# Altium PCB MIXR Input and Processing.PcbDoc (part 2 of 3)
Units mm, origin at the board's own origin, x right, y up, seen from the top; angles counter-clockwise.
Board outline 109.43 x 109.43 mm, 4 copper layers (Top Layer, Int1 (GND), Int2 (PWR), Bottom Layer), stack 1.46 mm thick; 229 components, 167 nets, 975 pads, 374 vias.
Unrouted connection lines stored in the file: 221.
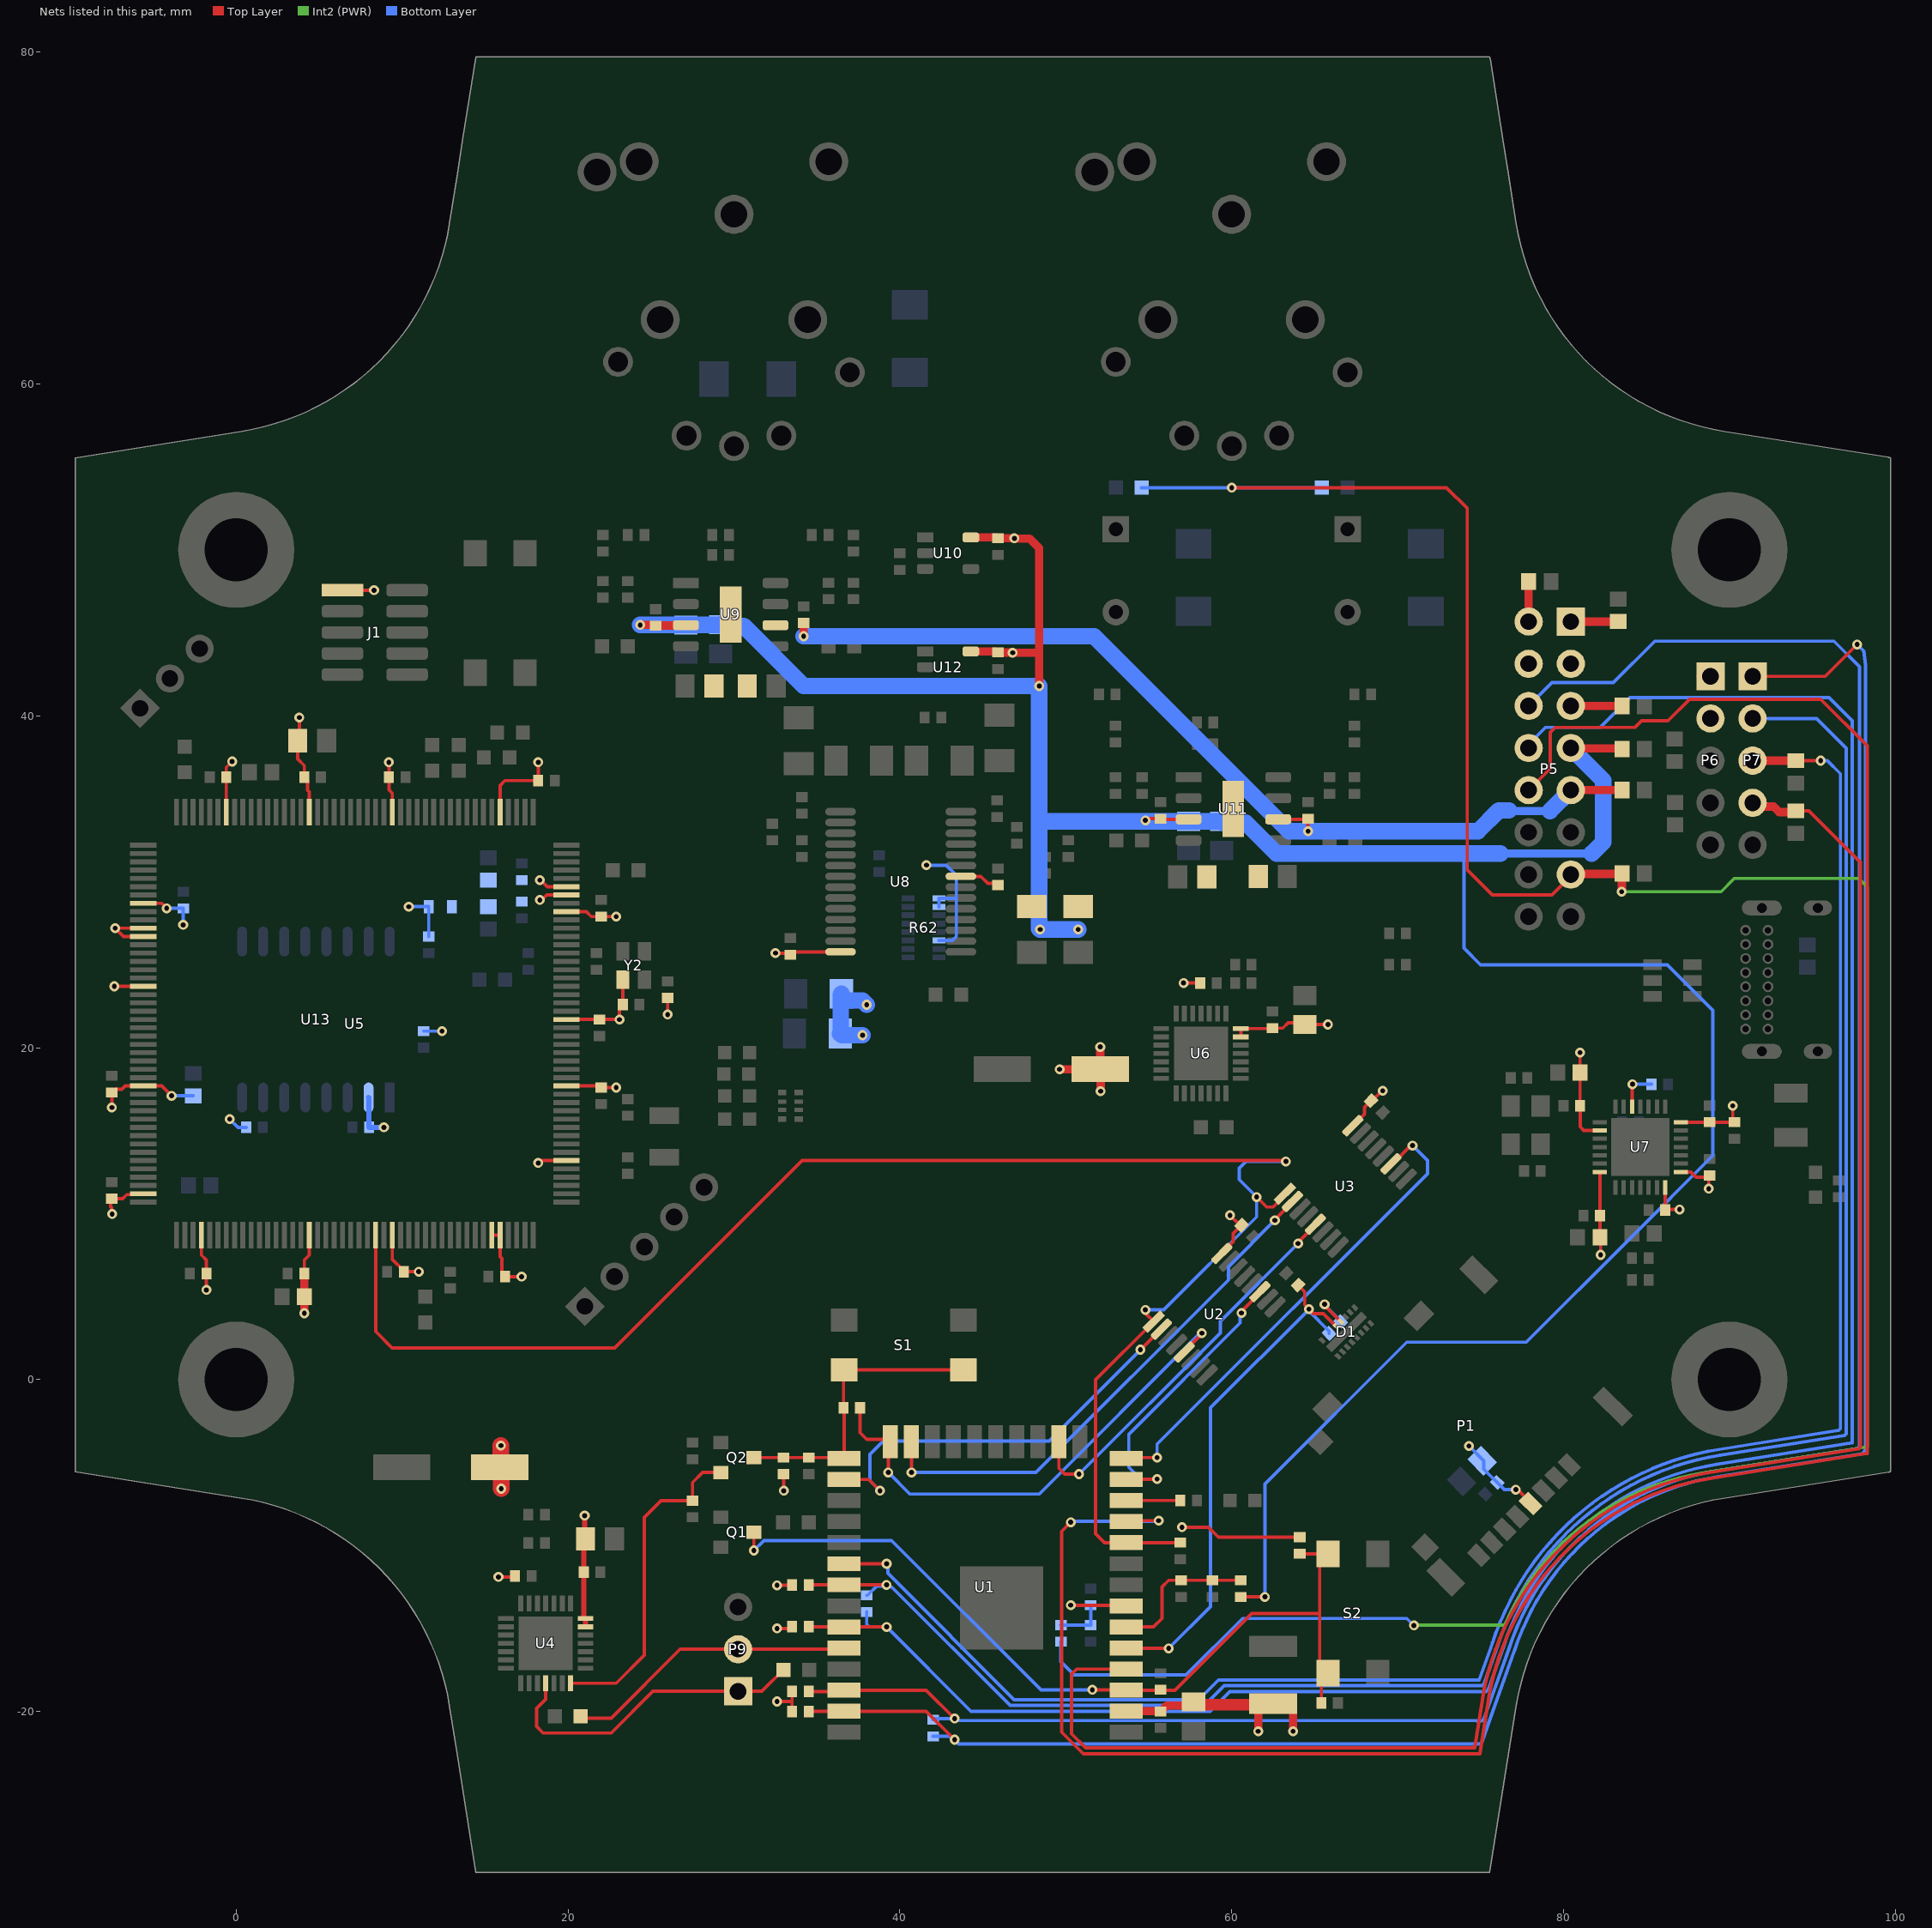
[diagram p4: the nets of this part, all layers, seen from the top]

## Part data (continued)
D1: "RLC EMI Filter 3rd Order Low Pass 6 Channel R = 40Ohms, C = 12pF, L = 20nH 16-UFDFN Exposed Pad", Capacitance=20pF, Case/Package=DFN, Clamping Voltage=9V, DC Resistance (DCR)=40R, Manufacturer 1="ON Semiconductor", Manufacturer Part Number 1=CM1624-08DE, Max Operating Temperature=85°C, Min Operating Temperature=-40°C, Operating Supply Voltage=5V, Package Quantity=1, Supplier Part Number 1=CM1624-08DEOSCT-ND, ComponentLink1Description=https://datasheet.ciiva.com/1267/cm1624-d-1267908.pdf?src-supplier=Element14, ComponentLink1URL=https://datasheet.ciiva.com/1267/cm1624-d-1267908.pdf?src-supplier=Element14, ComponentLink2Description=https://datasheet.ciiva.com/4942/cm1624-d-92596-4942166.pdf?src-supplier=Mouser, ComponentLink2URL=https://datasheet.ciiva.com/4942/cm1624-d-92596-4942166.pdf?src-supplier=Mouser, ComponentLink3Description=https://datasheet.ciiva.com/26793/cm1624-08de-26793355.pdf?src-supplier=IIIC, ComponentLink3URL=https://datasheet.ciiva.com/26793/cm1624-08de-26793355.pdf?src-supplier=IIIC, ComponentLink4Description=https://datasheet.ciiva.com/1022/cm1624-d-1022810.pdf?src-supplier=Digi-Key, ComponentLink4URL=https://datasheet.ciiva.com/1022/cm1624-d-1022810.pdf?src-supplier=Digi-Key, ComponentLink5Description=https://datasheet.ciiva.com/15225/getdatasheetpartid-650344-15225530.pdf?src-supplier=Verical, ComponentLink5URL=https://datasheet.ciiva.com/15225/getdatasheetpartid-650344-15225530.pdf?src-supplier=Verical, ComponentLink6Description=https://datasheet.ciiva.com/3067/cm1624-d-3067220.pdf?src-supplier=Avnet, ComponentLink6URL=https://datasheet.ciiva.com/3067/cm1624-d-3067220.pdf?src-supplier=Avnet, ComponentLink7Description=https://datasheet.ciiva.com/3067/cm1624-d-3067221.pdf?src-supplier=Avnet, ComponentLink7URL=https://datasheet.ciiva.com/3067/cm1624-d-3067221.pdf?src-supplier=Avnet, ComponentLink8Description=https://datasheet.ciiva.com/1022/cm1624-d-1022808.pdf?src-supplier=Digi-Key, ComponentLink8URL=https://datasheet.ciiva.com/1022/cm1624-d-1022808.pdf?src-supplier=Digi-Key, ComponentLink9Description=https://datasheet.ciiva.com/1022/cm1624-d-1022809.pdf?src-supplier=Digi-Key, ComponentLink9URL=https://datasheet.ciiva.com/1022/cm1624-d-1022809.pdf?src-supplier=Digi-Key, Contact Plating=Tin,Matte, Depth=1.45mm, Direction=Bidirectional, ESD Protection=Yes, Halogen Free="Halogen Free", Height=0.022inch, Lead Free="Lead Free", Length=3.4mm, Number of Channels=6, Number of Lines=8, Number of Pins=16, Packaging="Tape and Reel", Pricing 1="1=0.52000, 10=0.48300, 25=0.46040, 50=0.44560, 100=0.43070, 250=0.40836, 500=0.34156, 1000=0.26507 (USD)", REACH SVHC="No SVHC", RoHS=Yes, Stock 1=5050, Supplier 1=Digi-Key, Termination=Flat, Width=1.35mm
D2: "17V Clamp 5A (8/20µs) Ipp Tvs Diode Surface Mount SOT-23-6", Breakdown Voltage=6V, Capacitance=3.5pF, Case/Package=SOT-23, Clamping Voltage=17V, Leakage Current=150nA, Manufacturer 1=STMicroelectronics, Manufacturer Part Number 1=USBLC6-2SC6, Max Operating Temperature=125°C, Min Operating Temperature=-40°C, Operating Supply Voltage=1.1V, Package Quantity=3000, Peak Pulse Current=5A, Power Line Protection=Yes, Reverse Standoff Voltage=5.25V, Supplier Part Number 1=497-5235-1-ND, Test Current=1mA, Working Voltage=5V, ComponentLink1Description=https://datasheet.ciiva.com/1268/1690354-1268384.pdf?src-supplier=Element14, ComponentLink1URL=https://datasheet.ciiva.com/1268/1690354-1268384.pdf?src-supplier=Element14, ComponentLink2Description=https://datasheet.ciiva.com/4508/cd00050750-113117-4508433.pdf?src-supplier=Mouser, ComponentLink2URL=https://datasheet.ciiva.com/4508/cd00050750-113117-4508433.pdf?src-supplier=Mouser, ComponentLink3Description=https://datasheet.ciiva.com/15143/getdatasheetpartid-148465-15143789.pdf?src-supplier=Verical, ComponentLink3URL=https://datasheet.ciiva.com/15143/getdatasheetpartid-148465-15143789.pdf?src-supplier=Verical, ComponentLink4Description=https://datasheet.ciiva.com/26787/usblc6-2sc6-26787908.pdf?src-supplier=IIIC, ComponentLink4URL=https://datasheet.ciiva.com/26787/usblc6-2sc6-26787908.pdf?src-supplier=IIIC, ComponentLink5Description=https://datasheet.ciiva.com/16200/cd00050750-16200026.pdf?src-supplier=Future+Electronics, ComponentLink5URL=https://datasheet.ciiva.com/16200/cd00050750-16200026.pdf?src-supplier=Future+Electronics, ComponentLink6Description=https://datasheet.ciiva.com/41444/001184109-da-01-en-ic-esd-protecti-usblc6-2sc6-sot-23-6-stm-41444156.pdf?src-supplier=Conrad, ComponentLink6URL=https://datasheet.ciiva.com/41444/001184109-da-01-en-ic-esd-protecti-usblc6-2sc6-sot-23-6-stm-41444156.pdf?src-supplier=Conrad, Contact Plating=Tin, Data Rate=480Mbps, Depth=1.75mm, Direction=Unidirectional, Element Configuration=Dual, ESD Protection=Yes, Height=1.3mm, Lead Free="Lead Free", Length=3.05mm, Max Breakdown Voltage=6V, Max Reverse Leakage Current=150nA, Min Breakdown Voltage=6V, Mount="Surface Mount", Number of Bidirectional Channels=2, Number of Channels=2, Number of Elements=1, Number of Pins=6, Packaging="Tape and Reel", Polarity=Unidirectional, Pricing 1="1=0.47000, 10=0.39900, 100=0.29820, 500=0.23430, 1000=0.18105 (USD)", Radiation Hardening=No, REACH SVHC="No SVHC", Reverse Breakdown Voltage=6V, RoHS=Yes, Stock 1=7579, Supplier 1=Digi-Key, Termination=SMD/SMT, Width=1.75mm
D3 D4 D5 D6: "TVS DIODE 12V 19.6V DO214AA", Capacitance @ Frequency=-, Current - Peak Pulse (10/1000µs)=30.6A, Manufacturer="Vishay Semiconductor Diodes Division", Manufacturer Part Number=SMBJ12CD-M3/H, Operating Temperature="-55°C ~ 150°C (TJ)", Package / Case="DO-214AA, SMB", Power - Peak Pulse=600W, Power Line Protection=No, Supplier Device Package="DO-214AA (SMBJ)", Supplier Part Number 1=SMBJ12CD-M3/HGICT-ND, Voltage - Breakdown (Min)=13.5V, Voltage - Clamping (Max) @ Ipp=19.6V, Voltage - Reverse Standoff (Typ)=12V, Applications="General Purpose", Category="Circuit Protection", ComponentLink1Description=http://www.vishay.com/docs/87606/87606.pdf, ComponentLink1URL=http://www.vishay.com/docs/87606/87606.pdf, Mounting Type="Surface Mount", Packaging="Cut Tape (CT)", Part Status=Active, Pricing 1="1=0.69, 10=0.565, 25=0.516, 100=0.3841, 250=0.34808 (CAD)", RoHS="RoHS Compliant", Stock 1=4469, Supplier 1=Digi-Key, Type=Zener
F1: library part "FUSE 375MA 125VDC 1206", "FUSE BOARD MNT 375MA 125VAC/VDC", Case Code (Imperial)=1206, Case Code (Metric)=3216, Current Rating=375mA, DC Cold Resistance=350mR, Manufacturer=Littelfuse, Manufacturer Part Number=0466.375NR, Max Operating Temperature=90°C, Min Operating Temperature=-55°C, Package Quantity=5000, Resistance=690mR, Supplier Part Number 1=F1453CT-ND, Voltage Rating=125V, Approvals=CSA,UL, Body Material=Thermoplastic, Case/Package=1206, ComponentLink1Description=http://www.littelfuse.com/data/en/Data_Sheets/Littelfuse_Fuse_466.pdf, ComponentLink1URL=http://www.littelfuse.com/data/en/Data_Sheets/Littelfuse_Fuse_466.pdf, ComponentLink2Description=http://www.littelfuse.com/~/media/electronics/datasheets/fuses/littelfuse_fuse_466_datasheet.pdf.pdf, ComponentLink2URL=http://www.littelfuse.com/~/media/electronics/datasheets/fuses/littelfuse_fuse_466_datasheet.pdf.pdf, ComponentLink3Description=//media.digikey.com/pdf/Data%20Sheets/Littelfuse%20PDFs/466%20Series%20Drawing.pdf, ComponentLink3URL=//media.digikey.com/pdf/Data%20Sheets/Littelfuse%20PDFs/466%20Series%20Drawing.pdf, ComponentLink4Description=http://www.farnell.com/datasheets/48294.pdf, ComponentLink4URL=http://www.farnell.com/datasheets/48294.pdf, ComponentLink5Description=https://www.verical.com/server-webapp/html/getDatasheet?partID=134212, ComponentLink5URL=https://www.verical.com/server-webapp/html/getDatasheet?partID=134212, Depth=1.52mm, Fuse Current=375mA, Fuse Type="Board Mount (Cartridge Style Excluded)", Height=0.023inch, Housing Material=Ceramic, Lead Free="Lead Free", Length=3.18mm, Mount="Surface Mount", Number of Pins=2, Packaging="Tape and Reel", Pricing 1="1=0.84, 5=0.812, 10=0.787, 50=0.6618, 100=0.5493, 250=0.4994, 500=0.4245, 1000=0.37455 (USD)", Radiation Hardening=No, REACH SVHC=Unknown, Stock 1=22359, Supplier 1=Digi-Key, Terminal Material=Copper, Termination=SMD/SMT, Voltage Rating (AC)=125V, Voltage Rating (DC)=125V, Width=0.06inch, Working Voltage=125V
FB1: "FERRITE BEAD 600 OHM 0603 1LN", Case Code (Imperial)=0603, Case Code (Metric)=1608, DC Resistance (DCR)=400mR, Manufacturer=TDK, Manufacturer Part Number=MMZ1608Y601BTD25, Max Current Rating=500mA, Max Operating Temperature=125°C, Min Operating Temperature=-55°C, Package Quantity=4000, Ratings=AEC-Q200, Supplier Part Number 1=445-172850-1-ND, Test Frequency=100MHz, Tolerance=25%, Case/Package=0603, Height=0.037inch, Impedance=600R, Length=0.063inch, Max DC Current=500mA, Mount="Surface Mount", Number of Lines=1, Packaging="Tape and Reel", Pricing 1="1 = 0.10000, 10 = 0.07600, 25 = 0.06840, 50 = 0.05000, 100 = 0.04330, 250 = 0.03416, 500 = 0.02884, 1000 = 0.02429 (USD)", RoHS=Yes, Stock 1=19540, Supplier 1=Digi-Key, Termination=SMD/SMT, Weight=7.1E-05oz, Width=0.031inch
J1: "10 Positions Header Connector 0.050\" (1.27mm) Surface Mount Gold", Current Rating=-, Insulation Color=Black, Manufacturer 1="Amphenol FCI", Manufacturer Part Number 1=20021121-00010C4LF, Material Flammability Rating="UL94 V-0", Supplier Part Number 1=609-3695-1-ND, ComponentLink1Description=http://portal.fciconnect.com/Comergent//fci/drawing/20021121.pdf, ComponentLink1URL=http://portal.fciconnect.com/Comergent//fci/drawing/20021121.pdf, Connector Type=Header, Contact Finish - Mating=Gold, Contact Finish - Post=Tin, Contact Finish Thickness - Mating="10µin (0.25µm)", Contact Finish Thickness - Post="50µin (1.27µm)", Contact Length - Mating="0.120\" (3.05mm)", Contact Length - Post=-, Contact Material="Copper Alloy", Contact Shape=Square, Contact Type="Male Pin", Fastening Type=-, Ingress Protection=-, Insulation Height=-, Insulation Material=Thermoplastic, Mated Stacking Heights=-, Mounting Type="Surface Mount", Number of Positions=10, Number of Positions Loaded=All, Number of Rows=2, Operating Temperature=-, Overall Contact Length=-, Packaging="Cut Tape (CT)", Part Status=Active, Pitch - Mating="0.050\" (1.27mm)", Row Spacing - Mating="0.050\" (1.27mm)", Shrouding=Unshrouded, Style="Board to Board", Supplier 1=Digi-Key, Termination=Solder, Voltage=-
LED1 LED6 LED7: "Blue 470nm LED Indication - Discrete 2.8V 0603 (1608 Metric)", Color=Blue, Current - Test=5mA, Lens Color=Colorless, Manufacturer 1="Lite-On Inc.", Manufacturer Part Number 1=LTST-C193TBKT-5A, Millicandela Rating=15mcd, Package / Case="0603 (1608 Metric)", Supplier Device Package="Chip LED", Supplier Part Number 1=160-1827-1-ND, Voltage - Forward (Vf) (Typ)=2.8V, ComponentLink1Description=http://optoelectronics.liteon.com/upload/download/DS22-2004-060/P_100_LTST-C193TBKT-5A.pdf, ComponentLink1URL=http://optoelectronics.liteon.com/upload/download/DS22-2004-060/P_100_LTST-C193TBKT-5A.pdf, Height (Max)=0.45mm, Lens Style/Size="Rectangle with Flat Top, 1.15mm x 0.80mm", Lens Transparency=Clear, Mounting Type="Surface Mount", Packaging="Cut Tape (CT)", Part Status=Active, Size / Dimension="1.60mm L x 0.80mm W", Supplier 1=Digi-Key, Viewing Angle=130°, Wavelength - Dominant=470nm, Wavelength - Peak=468nm
LED2 LED4 LED5: "Green 572nm LED Indication - Discrete 2V 0603 (1608 Metric)", Color=Green, Current - Test=20mA, Lens Color=Colorless, Manufacturer="Wurth Electronics Inc.", Manufacturer Part Number=150060VS75000, Millicandela Rating=40mcd, Package / Case="0603 (1608 Metric)", Supplier Device Package=0603, Supplier Part Number 1=732-4980-1-ND, Voltage - Forward (Vf) (Typ)=2V, Category=Optoelectronics, ComponentLink1Description=http://katalog.we-online.de/led/datasheet/150060VS75000.pdf, ComponentLink1URL=http://katalog.we-online.de/led/datasheet/150060VS75000.pdf, Features=-, Height (Max)=0.80mm, Lens Style/Size="Rectangle with Flat Top, 1.10mm x 0.70mm", Lens Transparency=Clear, Mounting Type="Surface Mount", Packaging="Cut Tape (CT)", Part Status=Active, Pricing 1="1=0.21, 100=0.1617, 500=0.13964 (CAD)", RoHS="RoHS Compliant", Size / Dimension="1.60mm L x 0.80mm W", Stock 1=9408, Supplier 1=Digi-Key, Viewing Angle=140°, Wavelength - Dominant=570nm, Wavelength - Peak=572nm
P1: "9 (8 + 1) Position Card Connector microSD™ Surface Mount, Right Angle Gold", Manufacturer=Molex, Manufacturer Part Number=503182-1852, Max Operating Temperature=85°C, Min Operating Temperature=-25°C, Package Quantity=1600, Supplier Part Number 1=WM12834CT-ND, Connector Type=Connector, Contact Material="Copper Alloy", Contact Plating=Gold, Depth=14.95mm, Gender=Male, Halogen Free="Low Halogen", Housing Material=Polymer, Length=15.2mm, Mount="Surface Mount", Number of Circuits=8, Number of Rows=1, Orientation="Right Angle", Packaging="Tape and Reel", Pitch=1.1mm, Pricing 1="1 = 2.45000, 10 = 2.22400, 25 = 2.08840, 50 = 1.99740, 100 = 1.90670, 250 = 1.72508, 500 = 1.58890 (USD)", REACH SVHC="No SVHC", RoHS=Yes, Stock 1=36042, Supplier 1=Digi-Key, Termination=Solder
P2: "USB - C USB 2.0 Receptacle Connector 16 Position Through Hole, Right Angle", Manufacturer="Global Connector Technology", Manufacturer Part Number=USB4085-GF-A, Supplier Part Number 1=2073-USB4085-GF-ACT-ND, Pricing 1="1 = 1.440000, 10 = 1.307000, 25 = 1.227200, 50 = 1.174000, 100 = 1.120600, 250 = 1.013840 (USD)", RoHS=No, Stock 1=286, Supplier 1=Digi-Key
P3 P4: "XLR Connectors A SERIES COMBO;3POLE FEM;PCB HOR", Case/Package=Metal, Color=Black, Current Rating=3A, Flammability Rating="UL94 HB", Manufacturer=Neutrik, Manufacturer Part Number=NCJ6FA-H, Max Operating Temperature=80°C, Min Operating Temperature=-30°C, Mouser Part Number=568-NCJ6FA-H, Package Quantity=10, Voltage Rating=50V, Body Material=Metal, ComponentLink1Description=https://datasheet.ciiva.com/30126/neutrik-ncj6fa-h-1-30126129.pdf?src-supplier=Onlinecomponents.com, ComponentLink1URL=https://datasheet.ciiva.com/30126/neutrik-ncj6fa-h-1-30126129.pdf?src-supplier=Onlinecomponents.com, ComponentLink2Description=https://datasheet.ciiva.com/8008/76755-8008003.pdf?src-supplier=Element14, ComponentLink2URL=https://datasheet.ciiva.com/8008/76755-8008003.pdf?src-supplier=Element14, ComponentLink3Description=https://datasheet.ciiva.com/24394/neutrik-ncj6fa-h-1-24394955.pdf?src-supplier=Onlinecomponents.com, ComponentLink3URL=https://datasheet.ciiva.com/24394/neutrik-ncj6fa-h-1-24394955.pdf?src-supplier=Onlinecomponents.com, Connector Type=Socket, Contact Material=Bronze, Contact Plating=Gold, Datasheet Link=http://www.neutrik.com/zoolu-website/media/download/13540/Product+Guide+-+Section+XLR, Depth=30.2mm, Gender=Female, Housing Material=Polyamide, Length=25mm, Manufacturer_Name=Neutrik, Manufacturer_Part_Number=NCJ6FA-H, Mouser Price/Stock=https://www.mouser.com/Search/Refine.aspx?Keyword=568-NCJ6FA-H, Number of Contacts=6, Number of Pins=3, Number of Ports=1, Number of Positions=3, Number of Terminals=6, Orientation=Horizontal, Pricing 1="1 = 2.06000, 10 = 1.96000, 50 = 1.86000, 100 = 1.80000, 1000 = 1.77000, 10000 = 1.77000 (USD)", REACH SVHC="No SVHC", RoHS=Yes, Stock 1=3848, Supplier 1=Mouser, Supplier Part Number 1=568-NCJ6FA-H, Termination=Solder, Weight=0.388014oz
P5: "SAMTEC         TSW-108-15-T-D             Board-To-Board Connector, Vertical, TSW Series, 16 Contacts, Header, 2.54 mm, Through Hole, 2 Rows", Housing Color=Black, Manufacturer=Samtec, Manufacturer Part Number=TSW-108-15-T-D, Max Current Rating=7.6A, Max Operating Temperature=105°C, Max Voltage Rating (AC)=550V, Min Operating Temperature=-55°C, Supplier Part Number 1=SAM12336-ND, Category="Headers and Wire Housings", ComponentLink1Description=https://datasheet.ciiva.com/15175/getdatasheetpartid-51138-15175898.pdf?src-supplier=Verical, ComponentLink1URL=https://datasheet.ciiva.com/15175/getdatasheetpartid-51138-15175898.pdf?src-supplier=Verical, Contact Material=Bronze, Contact Plating=Tin, Depth=5.08mm, Gender=Male, Housing Material=Polyester, Length=20.32mm, Number of Contacts=16, Number of Rows=2, Orientation=Straight, Packaging=Bulk, Pitch=2.54mm, Pricing 1="1=1.02000, 10=0.89800, 100=0.77440, 500=0.63360, 1000=0.56320, 5000=0.49280, 10000=0.46816 (USD)", Radiation Hardening=No, REACH SVHC="No SVHC", RoHS=Yes, Stock 1=387, Supplier 1=Digi-Key, Termination=Solder
P6 P7 P8: library part "CONN 5POS 0.1\" 1\" MALE HEADER", "CONN HEADER 5POS .100\" SNGL", Color=Black, Manufacturer=Samtec, Manufacturer Part Number=TSW-105-20-T-S, Package Quantity=1, Supplier Part Number 1=SAM9000-ND, Category="Headers and Wire Housings", ComponentLink1Description=https://datasheet.ciiva.com/739/tsw-xxx-xx-xxx-x-xx-xxx-mkt-739939.pdf?src-supplier=Digi-Key, ComponentLink1URL=https://datasheet.ciiva.com/739/tsw-xxx-xx-xxx-x-xx-xxx-mkt-739939.pdf?src-supplier=Digi-Key, ComponentLink2Description=https://datasheet.ciiva.com/29947/htsw-th-29947990.pdf?src-supplier=Avnet, ComponentLink2URL=https://datasheet.ciiva.com/29947/htsw-th-29947990.pdf?src-supplier=Avnet, Connector Type="Male Pin", Contact Material=Bronze, Contact Mating Length=1.02inch, Contact Plating=Tin, Gender=Male, Lead Free="Lead Free", Mount="Through Hole", Number of Contacts=5, Number of Positions=5, Number of Rows=1, Packaging=Rail/Tube, Pitch=0.1inch, Pricing 1="1=0.45000, 10=0.42300, 100=0.32430, 500=0.28200, 1000=0.23265, 5000=0.20445, 10000=0.19035 (USD)", Radiation Hardening=No, REACH SVHC="No SVHC", RoHS=Yes, Stock 1=939, Supplier 1=Digi-Key, Termination=Solder
  P6 P7: System=Connector
P9 P10: "3 Positions Header Connector 0.100\" (2.54mm) Through Hole Gold", Current Rating=3A, Insulation Color=Black, Manufacturer 1="Wurth Electronics Inc.", Manufacturer Part Number 1=61300311121, Material Flammability Rating="UL94 V-0", Operating Temperature="-40°C ~ 125°C", Supplier Part Number 1=732-5316-ND, Voltage=250V, ComponentLink1Description=http://katalog.we-online.de/em/datasheet/6130xx11121.pdf, ComponentLink1URL=http://katalog.we-online.de/em/datasheet/6130xx11121.pdf, Connector Type=Header, Contact Finish - Mating=Gold, Contact Finish - Post=-, Contact Finish Thickness - Mating=-, Contact Finish Thickness - Post=-, Contact Length - Mating="0.236\" (6.00mm)", Contact Length - Post="0.118\" (3.00mm)", Contact Material="Copper Alloy", Contact Shape=Square, Contact Type="Male Pin", Fastening Type=-, Ingress Protection=-, Insulation Height="0.100\" (2.54mm)", Insulation Material="Polybutylene Terephthalate (PBT)", Mated Stacking Heights=-, Mounting Type="Through Hole", Number of Positions=3, Number of Positions Loaded=All, Number of Rows=1, Overall Contact Length="0.454\" (11.54mm)", Packaging=Bulk, Part Status=Active, Pitch - Mating="0.100\" (2.54mm)", Row Spacing - Mating=-, Shrouding=Unshrouded, Style="Board to Board or Cable", Supplier 1=Digi-Key, Termination=Solder
Q1 Q2: library part "BJT NPN 40V 1.5A SOT-23", "NPN TRANSISTOR 1.5A 40V SOT-23 R", Case/Package=TO-236-3, Collector Emitter Breakdown Voltage=25V, Collector Emitter Voltage (VCEO)=400mV, Manufacturer=Comchip, Max Collector Current=1.5A, Max Power Dissipation=300mW, Supplier Part Number 1=641-1790-1-ND, Transition Frequency=100MHz, ComponentLink1Description="http://www.comchiptech.com/admin/files/product/SS8050-G RevA181526.pdf?src-supplier=Digi-Key", ComponentLink1URL="http://www.comchiptech.com/admin/files/product/SS8050-G RevA181526.pdf?src-supplier=Digi-Key", ComponentLink2Description=http://www.comchiptech.com/cms/UserFiles/SS8050-G%20RevA181526.pdf?src-supplier=Digi-Key, ComponentLink2URL=http://www.comchiptech.com/cms/UserFiles/SS8050-G%20RevA181526.pdf?src-supplier=Digi-Key, Manufacturer Part Number=SS8050-G, Max Breakdown Voltage=25V, Mount="Surface Mount", Packaging="Tape and Reel", Pricing 1="1=0.22000, 10=0.17900, 25=0.15040, 100=0.07340, 250=0.07228, 500=0.06126, 1000=0.04256 (USD)", RoHS=Yes, Stock 1=387, Supplier 1=Digi-Key
R1 R9 R15 R17 R19 R21 R33 R34 R37 R38 R46 R54 R65 R66 R71 R73 R74: "Surface Mount Thick Film Resistor, Rc Series, 10 Kohm, 62.5 Mw, - 1%, 50 V, 0402 [1005 Metric]", Case Code (Imperial)=0402, Case Code (Metric)=1005, Manufacturer=Yageo, Manufacturer Part Number=RC0402FR-0710KL, Max Operating Temperature=155°C, Min Operating Temperature=-55°C, Power Rating=62.5mW, Resistance=10K0, Supplier Part Number 1=311-10.0KLRCT-ND, Temperature Coefficient=100ppm/°C, Tolerance=1%, Voltage Rating=50V, Case/Package=0402, Category="Chip SMD Resistors", ComponentLink1Description=https://datasheet.ciiva.com/7660/38568-7660787.pdf?src-supplier=Element14, ComponentLink1URL=https://datasheet.ciiva.com/7660/38568-7660787.pdf?src-supplier=Element14, ComponentLink2Description=https://datasheet.ciiva.com/7983/1018594-7983486.pdf?src-supplier=Element14, ComponentLink2URL=https://datasheet.ciiva.com/7983/1018594-7983486.pdf?src-supplier=Element14, ComponentLink3Description=https://datasheet.ciiva.com/7849/1784430-7849813.pdf?src-supplier=Element14, ComponentLink3URL=https://datasheet.ciiva.com/7849/1784430-7849813.pdf?src-supplier=Element14, ComponentLink4Description=https://datasheet.ciiva.com/7849/1686128-7849814.pdf?src-supplier=Element14, ComponentLink4URL=https://datasheet.ciiva.com/7849/1686128-7849814.pdf?src-supplier=Element14, ComponentLink5Description=https://datasheet.ciiva.com/7849/1784430-7849815.pdf?src-supplier=Element14, ComponentLink5URL=https://datasheet.ciiva.com/7849/1784430-7849815.pdf?src-supplier=Element14, ComponentLink6Description=https://datasheet.ciiva.com/22747/1018594-22747512.pdf?src-supplier=Element14, ComponentLink6URL=https://datasheet.ciiva.com/22747/1018594-22747512.pdf?src-supplier=Element14, ComponentLink7Description=https://datasheet.ciiva.com/12667/pyu-rc0402-51-rohs-l-6-r-12667067.pdf?src-supplier=Mouser, ComponentLink7URL=https://datasheet.ciiva.com/12667/pyu-rc0402-51-rohs-l-6-r-12667067.pdf?src-supplier=Mouser, Composition="Thick Film", Depth=0.5mm, Height=0.32mm, Lead Free="Lead Free", Lead Pitch=0.2mm, Length=1mm, Military Standard=Not, Number of Pins=2, Number of Terminations=2, Packaging="Tape and Reel", Pricing 1="1=0.10000, 10=0.01600, 100=0.00640, 1000=0.00289, 2500=0.00251, 5000=0.00207 (USD)", REACH SVHC="No SVHC", RoHS=Yes, Stock 1=60761136, Supplier 1=Digi-Key, Termination=SMD/SMT, Voltage Rating (DC)=50V, Width=0.5mm, Working Voltage=50V